# Altium PCB ZYNQ7010_AD9363.PcbDoc (part 5 of 6) (continued)
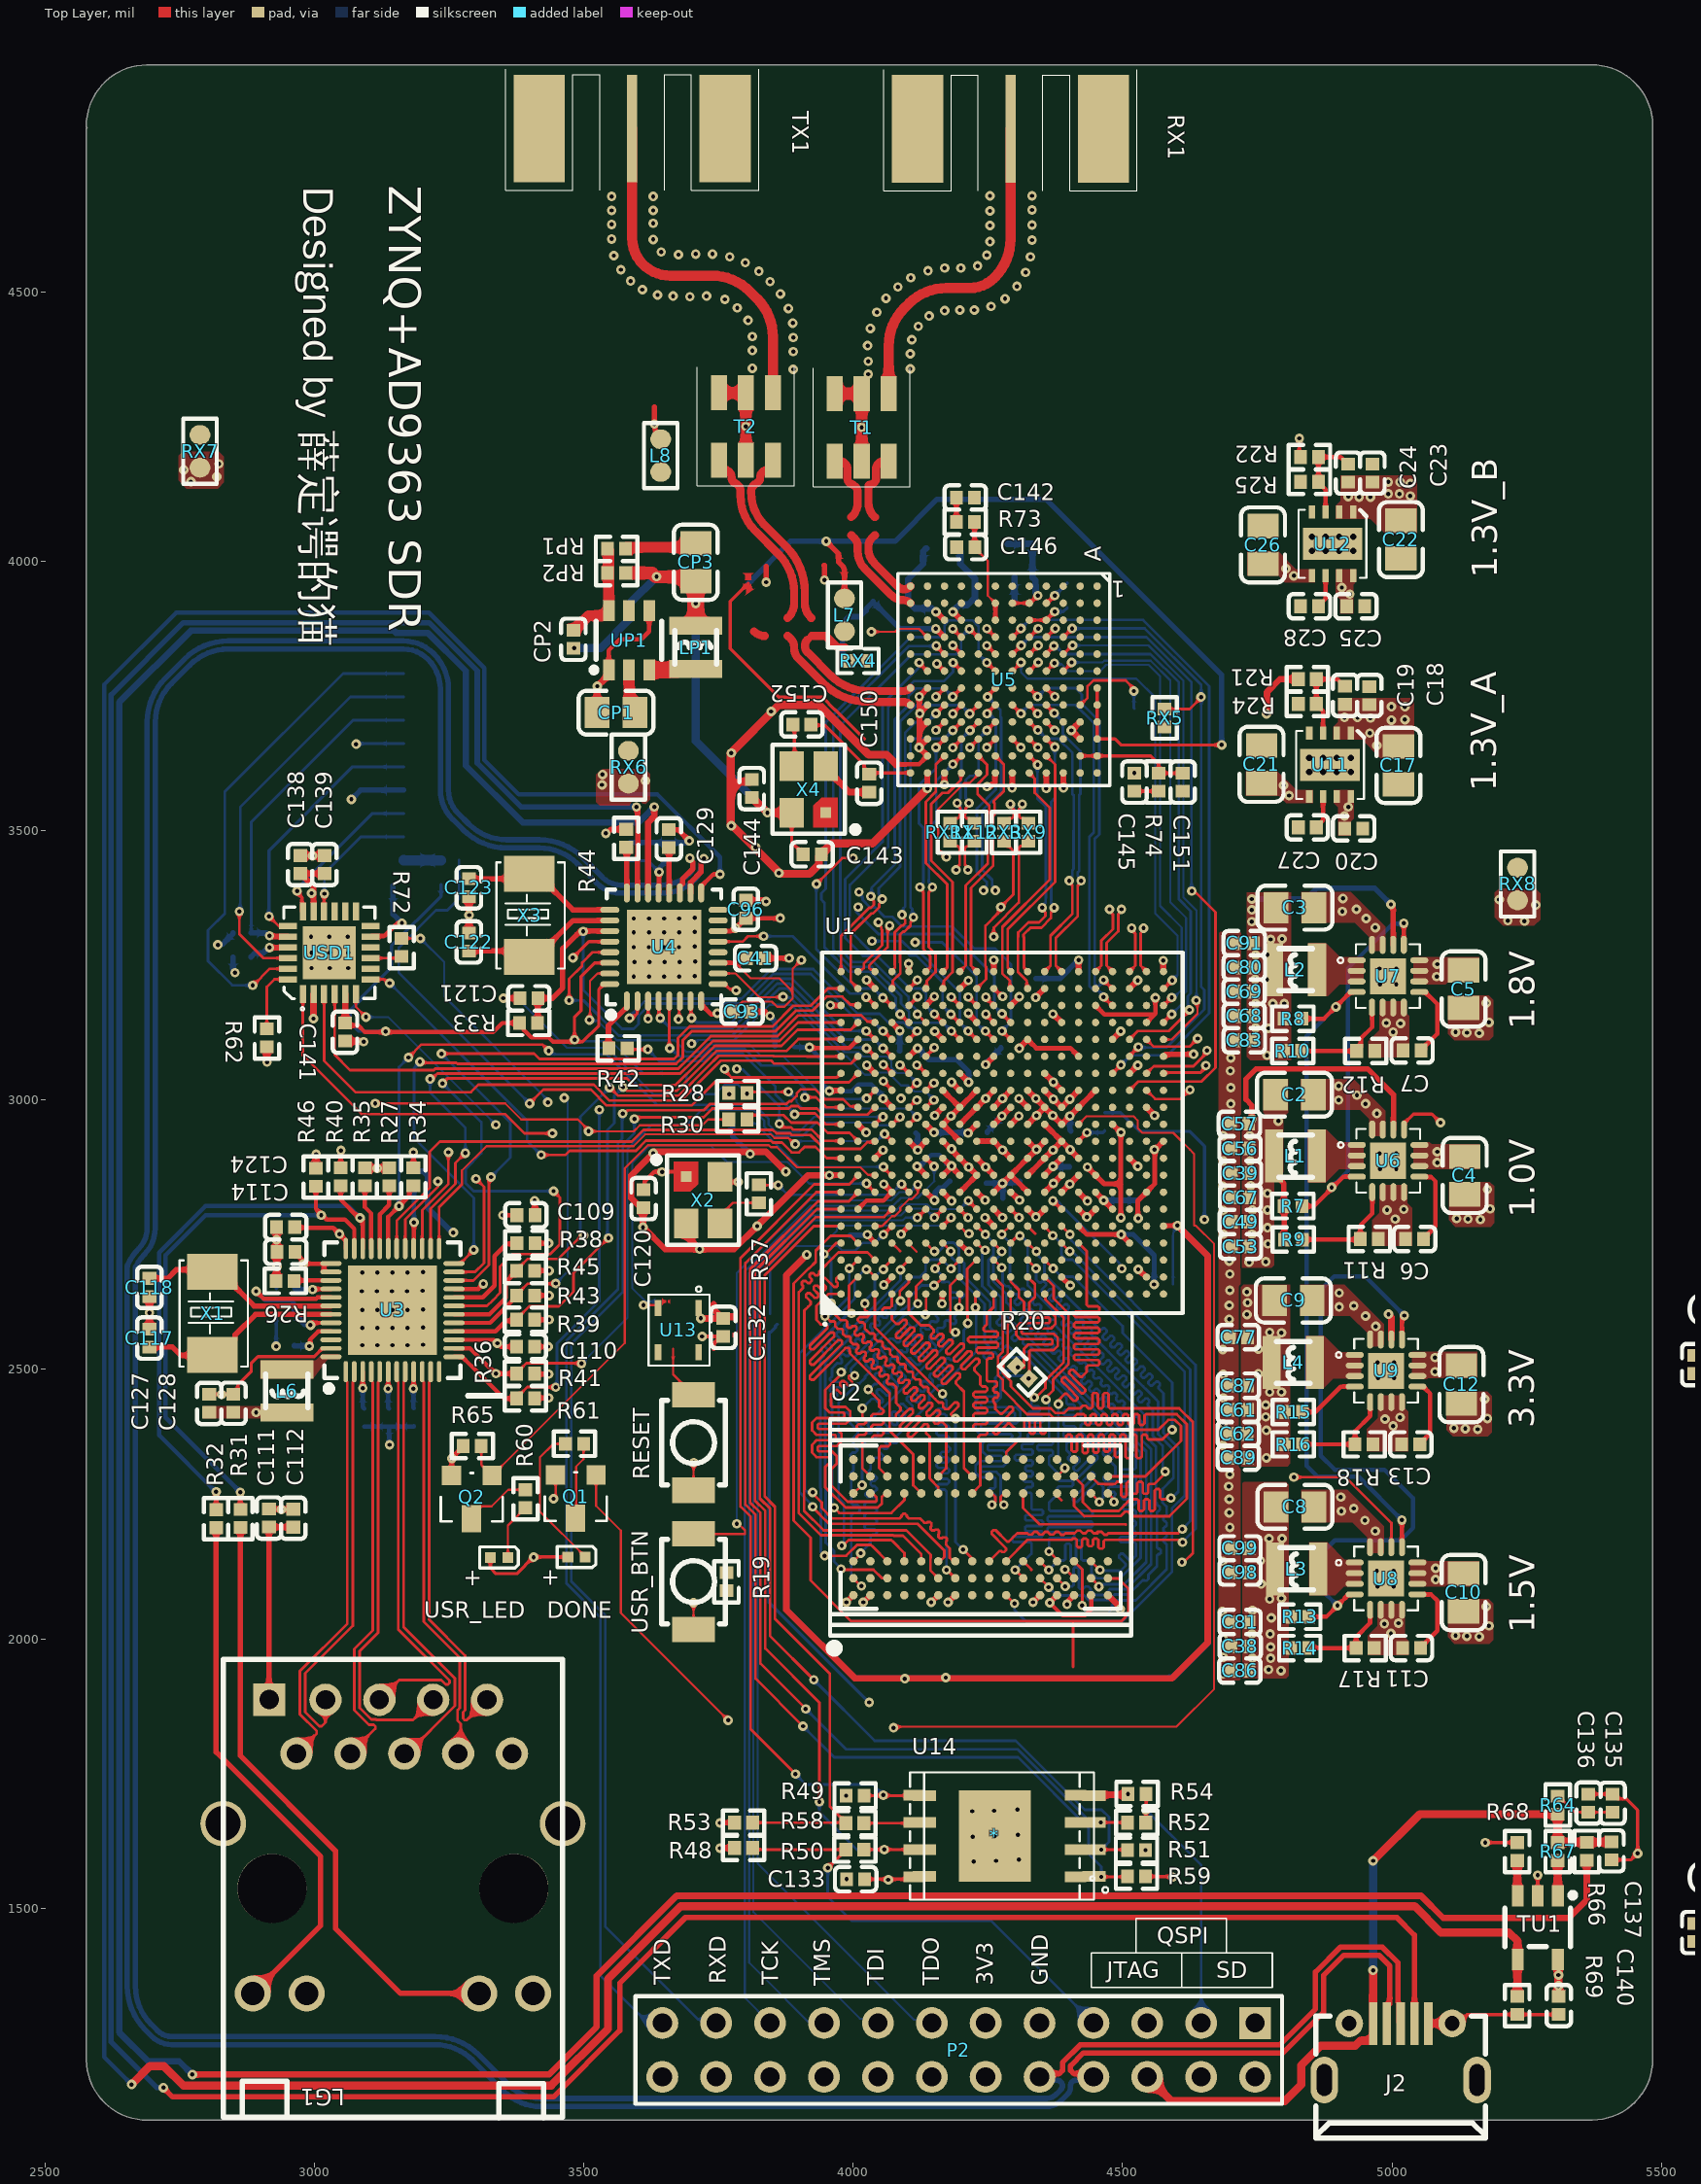
[diagram p0: Top Layer view]
## Nets (pads, with @x,y where several pads share a name; then routed paths per layer and width w, separated by ;. In a path a pad name is that pad's centre, name@x,y a point inside that pad or via, vN(x,y) a via of type N, cw(c..) or ccw(c..) an arc to the next point about the centre after c; other vN are vias at no path point) (continued)
  Top Layer w10: U1.G7@4166.49,2828.97 v1(4182.82,2812.64) ; U1.G13@4166.49,3017.95 U1.H12@4197.99,2986.45 ; U1.H10@4197.99,2923.46 U1.G11@4166.49,2954.96 4181.65,2970.11 U1.H12@4197.99,2986.45 ; U1.J7@4229.49,2828.97 4229.94,2828.97 4244.55,2814.36 v1(4245,2814.36) ; U1.J13@4229.49,3017.95 U1.H12@4197.99,2986.45 ; U1.K12@4260.98,2986.45 v1(4277.31,3002.79) U1.L13@4292.48,3017.95 ; U1.L7@4292.48,2828.97 4293.34,2828.97 4307.95,2814.36 v1(4308.82,2814.36) ; v1(4307.64,3002.78) U1.M12@4323.97,2986.45 ; U1.N7@4355.47,2828.97 v1(4371.81,2845.3) U1.P8@4386.97,2860.47 ; U1.N13@4355.47,3017.95 v1(4371.8,3001.61) U1.P12@4386.97,2986.45 v1(4402.12,3001.61) U1.R13@4418.46,3017.95 ; U1.R7@4418.46,2828.97 v1(4434.8,2812.64) ; v1(4740,2965) 4740,2990 4729,3001 4729,3039 4748,3058 4954.7,3058 5002.7,3010 U6.14@5002.7,2945.3 ; L1.2@4780.92,2896 4780.92,2863.55 4799.54,2844.93 R7.1@4799.54,2803 4799.9,2802.63 4799.9,2741.37 R9.1@4800.27,2741
  other v1: 4735,2699 4766,2700 4770,2733 4740,2751 4769,2763 4741,2796 4769,2796 4769,2827 4738,2841 4737,2887 4736,2934 4789,2961 4181.65,2970.11
VCC_1V5: C8.2 C38.2 C81.1 C86.2 C98.1 C99.1 C100.1 C101.1 C102.1 C103.1 C104.1 C105.1 C106.1 C107.1 C108.1 L3.2 R2.1 R4.2 R13.1 R14.1 U1.A3 U1.D2 U1.E5 U1.G1 U1.H4 U1.L3 U1.P2 U1.R5 U1.U1 U1.V4 U2.A1 U2.A8 U2.B2 U2.C1 U2.C9 U2.D2 U2.D9 U2.E9 U2.F1 U2.G7 U2.H2 U2.H9 U2.K2 U2.K8 U2.N1 U2.N9 U2.R1 U2.R9 U8.14 | length 836.8
  Top Layer w5: v1(4818,2300) 4914,2300 4998.8,2215.2 U8.14@4998.8,2170.1
  Top Layer w8: v1(4365,2067) 4388.5,2043.5 4430.34,2043.5 4441.86,2055.02 4441.86,2080.65 U2.R1@4441.5,2081 ; U1.U1@4481.45,2640 U1.U1@4482.87,2640
  Top Layer w9: U1.R5@4418.46,2765.98 4434.08,2750.36 v1(4497.64,2750.36) U1.V4@4512.95,2735.05
  Top Layer w10: v1(3987.33,2067.77) U2.A1@4000.56,2081 ; v1@4056.84,2656.32 U1.D2@4072.01,2671.49 4057.52,2657 v1(4057,2657) ; v1@4089.62,2752.1 U1.E5@4103.5,2765.98 ; v1(4144.81,2067.77) U2.F1@4158.04,2081 ; v1(4165,2622) 4165,2635.84 4165.77,2636.6 4165.77,2639.28 U1.G1@4166.49,2640 ; U1.H4@4199,2735 4198.94,2734.94 4198.94,2732.97 4212.36,2719.56 v1@4212.36,2719 ; v1(4365,2067) 4365,2067.49 U2.N1@4378.51,2081 ; U1.P2@4386.97,2671.49 4402.46,2656 v1(4403,2656)
  Mid-Layer 1 w5: 4071.91,2721.25 4071.91,2730.83 4089,2747.92 v1(4089,2751)
  Bottom Layer w9: v1(4497.64,2750.36) 4520.06,2750.36 4558.71,2711.7 v1(4558.71,2657.82)
  other v1: 4794,1941 4771,1943 4741,1964 4775,1964 4775,1985 4740,2009 4774,2009 4776,2039 4741,2053 4773,2074 4795,2075 4757,2102 4756,2145 4772,2186 4796,2186 4215,2719
VCC_1V8: C3.2 C41.2 C42.2 C43.2 C44.2 C45.2 C46.2 C68.2 C69.2 C70.2 C71.2 C72.2 C73.2 C74.2 C80.2 C82.2 C83.2 C84.2 C85.2 C90.2 C91.2 C92.2 C93.2 C94.2 C95.2 C96.2 C109.2 C110.2 C141.1 L2.2 R8.1 R10.1 R29.2 R30.1 R33.2 R34.1 R39.2 R41.2 R43.2 R45.2 R71.2 U1.A13 U1.B16 U1.C19 U1.D12 U1.E15 U1.F8 U1.F11 U1.F18 U1.G8 U1.G9 U1.H8 U1.H14 U1.J9 U1.J11 U1.J17 U1.K8 U1.K20 U1.L11 U1.M8 U1.M16 U1.N9 U1.N11 U1.N19 U1.P10 U1.R9 U1.R15 U1.T8 U1.T18 U1.U11 U1.V14 U1.W7 U1.W17 U1.Y10 U1.Y20 U3.15 U3.21 U4.8 U4.11 U4.14 U4.28 U4.30 U4.32 U7.14 USD1.5 | length 5466.5
  Top Layer w4: v1(3113.05,2993.81) 3354.19,2993.81 3384,2964 3489,2964 3509,2944 v1(3509,2942) 3593,2942 3604.2,2953.2 3719.95,2953.2 3730.75,2964 R30.1@3769.27,2964 ; C93.2@3777.27,3164 3777.27,3164.98 3795.08,3182.8 3849.2,3182.8 3859,3173 3872.37,3173 3888,3188.63 3888,3201 ; 3781.53,3254.47 3810,3226 3863,3226 3888,3201 ; v1(3904.05,3259.81) 3888,3243.76 3888,3201
  Top Layer w6: v1(3349.8,2786.2) C109.2@3376,2786.2 ; v1(3480,3264) 3509.84,3293.84 U4.28@3548.61,3293.84 ; U4.32@3548.61,3215.1 3537.76,3215.1 3528,3205.34 3528,3138 3498,3108 3483,3108 v1(3483,3111.86) 3483,3154 3495,3166 3495,3229 3520.47,3254.47 U4.30@3548.61,3254.47
  Top Layer w8: C141.1@3057,3142.73 3057.5,3142.23 3061.53,3138.2 3081.8,3138.2 3094,3126 3332,3126 3349,3143 R33.2@3381,3143 3388.81,3135.19 3388.81,3130.19 3403,3116 3435.19,3116 3443.19,3108 v1@3483,3108 ; R34.1@3184,2874.2 v1@3184,2903 ; U3.15@3259.31,2554.96 3333.23,2554.96 3346,2542.2 C110.2@3375.26,2542.2 ; U3.21@3259.31,2649.45 3304.25,2649.45 v1(3313.62,2658.83) ; R41.2@3408.73,2492.2 3409.73,2491.2 v1(3435,2491.2) ; R39.2@3408.73,2592.2 v1(3436,2592.2) ; R45.2@3408.73,2683.2 v1(3436,2683.2) ; R43.2@3409,2637.2 v1(3436,2637.2) ; U4.8@3717.9,3183.61 3718.48,3183.03 3718.48,3177.52 3737,3159 3772.27,3159 C93.2@3777.27,3164 ; U4.11@3749.39,3254.47 3781.53,3254.47 3800.74,3254.47 C41.2@3802.27,3256 ; U4.14@3749.39,3313.53 3777.26,3313.53 3792.2,3328.47 3792.2,3329.46 3800.02,3337.27 C96.2@3801,3337.27 v1@3864.73,3337.27 ; v1(3919,3098) 3920.7,3096.3 3992.69,3096.3 4008.83,3112.44 U1.B16@4008.92,3112.44 ; U1.T18@4449.96,3175.43 4466.57,3158.82 4559.34,3158.82 ; U1.W17@4544.45,3143.93 4559.34,3158.82 ; v1(4560.88,3189.81) 4560.88,3160.36 4559.34,3158.82
  Top Layer w9: U1.M16@4323.97,3112.44 4340.03,3096.38 4403.02,3096.38 U1.R15@4418.46,3080.94 ; v1(4434.88,2875.55) 4466.07,2844.36 4496.84,2844.36 ; U1.U11@4481.45,2954.96 4496.84,2939.57 4496.84,2844.36 ; v1(4496.84,2781.54) 4496.84,2844.36 ; v1@4528.34,2781.15 4528.34,2812.86 4560.14,2844.66 4560.14,2907.66 U1.Y10@4575.94,2923.46
  Top Layer w10: v1(3956.07,3016.64) 3956.73,3017.3 3976.87,3017.3 U1.A13@3977.52,3017.95 ; U1.B16@4008.92,3112.44 U1.B16@4009.01,3112.44 ; v1(4024.88,3222.64) U1.C19@4040.51,3206.93 ; v1(4055.68,3002.77) U1.D12@4072.01,2986.45 ; U1.E15@4103.5,3080.94 4103.94,3080.94 4119.14,3096.14 v1(4119.59,3096.14) ; v1(4118.67,2876.79) U1.F8@4135,2860.47 ; U1.F18@4133.94,3175.44 U1.F18@4134.5,3175.44 ; U1.F11@4135,2954.96 v1(4150.16,2939.8) ; U1.F18@4135,3175.43 4135,3175.94 4150.63,3191.57 v1(4150.63,3192.09) ; U1.G8@4166.49,2860.47 4167.07,2860.47 4182.24,2875.65 v1@4182.81,2875.65 ; U1.G9@4166.49,2891.97 v1@4182.81,2875.65 ; U1.H8@4197.99,2860.47 v1@4182.82,2875.64 ; U1.H14@4197.99,3049.45 v1(4214.32,3033.13) ; v1(4213.17,2938.63) U1.J11@4229.49,2954.96 ; v1@4213.36,3160.62 U1.J17@4229.49,3144.49 ; U1.J9@4229.49,2891.97 v1(4245.82,2875.65) U1.K8@4260.98,2860.47 ; U1.K20@4260.98,3238.42 v1(4260.98,3259.87) ; U1.L11@4292.48,2954.96 v1(4307.65,2970.12) ; v1@4308.28,3096.75 U1.M16@4323.97,3112.44 ; U1.M8@4323.97,2860.47 U1.P10@4386.97,2923.46 ; v1@4338.78,3190.8 U1.N19@4354.91,3206.93 ; U1.N11@4355.47,2954.96 U1.P10@4386.97,2923.46 ; U1.R9@4418.46,2891.97 v1(4402.71,2907.71) U1.P10@4386.97,2923.46 ; U1.V14@4512.95,3049.45 v1(4528.12,3064.62) ; U1.Y20@4575.46,3237.42 v1(4575.46,3258.87) ; v1(4998,3363) 5002.3,3358.7 U7.14@5002.3,3288
  Top Layer w12: C141.1@3057.5,3142.23 3057.5,3196.4 USD1.5@3057.6,3196.5
  Bottom Layer w4: v1@3483,3109 3551,3109 3610,3050 3625,3050 R29.2@3657.27,3050
  Bottom Layer w6: v1(3132.37,3127.51) 3082.49,3127.51 3067,3143 3067,3167 3088,3188 3088,3191 3143.5,3246.5 3143.5,3286.5 3235.27,3378.27 R71.2@3235.27,3400
  Bottom Layer w8: C84.2@3888.73,3100 3890.73,3098 v1(3919,3098) 3942,3075 3942,3030.72 v1(3956.07,3016.64) 3997.64,3016.64 4010,3029 4034,3029 4055.68,3007.32 v1(4055.68,3002.77) ; v1(4118.67,2876.79) ccw(c4118.67,2889.17) 4127.42,2880.42 4145,2898 4159.81,2898 4180.17,2877.65 v1(4182.82,2877.65)
  Bottom Layer w10: v1(4119.59,3096.14) 4140.73,3075 4192,3075 4214.32,3052.68 v1(4214.32,3033.13) ; v1(4150.16,2939.8) 4212,2939.8 v1(4213.17,2938.63) ; v1(4740,3373) 4840,3373 4860,3393 4968,3393 v1(4998,3363)
  other v1: 3339.61,2548.58 4529.09,2780.4 3183.78,2903.07 4371,2907 4559,2908 4497,2940 4768,3083 4308.28,3095.91 4771,3133 4747,3134 3748,3161 4214,3161 4747,3179 4779,3179 4800,3179 4338.78,3190.29 4746,3224 4768,3224 4747,3269 4769,3270 4775,3298 4796,3299 3782,3319 4740,3331 3864.76,3337.54 4740,3353
VCC_3V3: *.8 C9.2 C20.2 C21.2 C25.2 C26.2 C61.2 C62.2 C75.2 C76.2 C77.2 C78.2 C87.2 C89.2 C113.2 C114.2 C115.2 C116.2 C120.1 C132.1 C133.1 C134.1 C138.1 C139.1 CP1.2 DONE.1 L4.2 LG1.14 P2.1 P2.6 R15.1 R16.1 R19.1 R27.2 R35.1 R38.1 R46.1 R47.1 R48.1 R55.1 R57.1 R59.2 R63.1 R68.2 tf1.4 U1.B6 U1.D7 U1.K6 U1.M6 U1.N6 U1.R6 U1.T6 U3.6 U3.37 U3.38 U3.41 U3.44 U3.45 U4.21 U9.14 U11.5 U11.7 U11.8 U12.5 U12.7 U12.8 U13.4 U14.8 UP1.1 UP1.4 USD1.17 USD1.21 USR_LED.1 X2.1 X2.4 | length 3386.5
  Top Layer w6: USR_LED.1@3326.86,2151 3326.86,2131.14 3337,2121 3376,2121 3407,2152 DONE.1@3470.72,2152 ; X2.4@3753,2857.62 3762.62,2848 v1(3787,2848) ; C133.1@4021.46,1554 4109,1554 *.8@4113.4,1558.4 ; R59.2@4542.73,1559 v1@4593,1559 ; v1(5173.04,1621.96) R68.2@5232.5,1621.96
  Top Layer w8: v1(2892,2645.2) 2905.71,2631.48 3003.62,2631.48 3005.71,2633.58 3030.84,2633.58 U3.41@3030.96,2633.7 ; C114.2@2964,2718.2 2964,2717.22 2985.01,2696.2 3018,2696.2 3018,2681.25 3018.3,2680.95 U3.38@3030.96,2680.95 ; v1(2979.78,2695.71) v1@2982.64,2698.57 ; v1(2990.73,2543.2) 2992.59,2545.06 2992.59,2555.79 3007.38,2570.59 3030.84,2570.59 U3.45@3030.96,2570.71 ; v1@2997.26,2586.46 U3.44@3030.96,2586.46 ; v1(3137,2464.2) 3137.26,2464.47 U3.6@3137.26,2495.91 ; R38.1@3409.46,2734.2 3411.46,2736.2 3413.46,2734.2 v1(3435,2734.2) ; UP1.1@3546.59,3798.08 3546.59,3834.59 3567,3855 3607,3855 3621.4,3869.4 UP1.4@3621.4,3908.32 ; C120.1@3611,2833.73 3613,2835.73 3613,2849 3631,2867 X2.1@3690,2867 ; U4.21@3639.16,3384.39 3640,3385.24 v1(3640,3423) ; v1(3719.87,2561.27) C132.1@3759,2561.27 ; 3741,2538.4 3741,2547.4 C132.1@3757.87,2564.27 ; U1.B6@4009.01,2797.48 4024.87,2813.34 4056.38,2813.34 U1.D7@4072.01,2828.97
  Top Layer w10: v1@2819.52,3286.52 v1(2821,3288) ; v1(2917,3283) v1(2917,3283) 2951.25,3283.05 USD1.21@2951.3,3283.1 ; C138.1@2974,3420.27 C138.1@2974.98,3420.27 ; v1(2993,2582.2) v1@2997.26,2586.46 ; USD1.17@2998.6,3350 2998.6,3396.65 C138.1@2974.98,3420.27 ; C139.1@3019,3420.27 C138.1@2974.98,3420.27 ; v1@3753,1612 R48.1@3780,1612 ; v1(4056.84,2844.14) U1.D7@4072.01,2828.97 ; U1.K6@4260.98,2797.48 v1@4276.8,2781.66 ; U1.M6@4323.97,2797.48 v1@4338.49,2782.96 ; v1@4340.95,2782.96 U1.N6@4355.47,2797.48 ; U1.R6@4418.46,2797.48 v1@4432.98,2782.96 ; v1@4435.44,2782.96 U1.T6@4449.96,2797.48
  Top Layer w12: R46.1@3003,2873.66 v1@3003,2900 ; R35.1@3094,2873.93 R27.2@3139,2873.93 ; CP1.2@3524.96,3719 3524.96,3767.58 3546.59,3789.22 UP1.1@3546.59,3798.08 ; v1@4994,2602 4998.9,2597.1 U9.14@4998.9,2555.6
  Bottom Layer w6: v1@3077.66,3661.66 tf1.4@3165.82,3661.66 ; C76.2@3586,3444.27 3618.73,3444.27 v1(3640,3423) ; 3859.31,2583.92 3855.8,2580.41 3855.8,2578.08 3846.98,2569.27 3844,2569.27 3844,2067.62 4029.62,1882 v1(4030,1882) ; R55.1@4467,2976.46 4496.54,2976.46 4531,2942 4624,2942 4652,2914 v1(4652,2778)
  Bottom Layer w8: v1(2892,2645.2) 2909,2628.2 2957,2628.2 2961.68,2623.51 2961.68,2605.25 C115.2@2963.73,2603.2 ; v1(3137,2464.2) 3137,2429.2 C113.2@3139,2427.2 ; v1(3640,3423) 3640,3430.52 3656.02,3446.54 C78.2@3657,3446.54
  Bottom Layer w10: 2830,3289.48 2849.54,3309.02 R63.1@2849.54,3310 ; C134.1@2882.73,3265 2882.73,3265.98 2889.54,3272.8 2904.71,3272.8 2914.91,3283 v1(2917,3283) ; C116.2@2962.73,2544.2 2963.23,2543.7 2990.23,2543.7 v1(2990.73,2543.2) ; C115.2@2963.73,2603.2 2963.73,2602.22 2982.27,2583.68 2991.52,2583.68 v1(2993,2582.2)
  other v1: 4065.28,1552.81 4593.05,1557.81 3753,1611.5 3407,2151.5 4767,2336 4767,2387 4766,2412 4766,2434 4773,2458 4795,2458 4752,2492 4752,2538 4795,2568 4773,2569 4731,2602 4993.66,2602.44 4732,2624 4731,2644 4277.23,2781.66 4339.14,2782.96 4433.62,2782.96 3645.37,2866.51 3116.86,2873.45 3003.36,2899.52 2995.05,3383.81 4912,3527 4919,3544 4809,3565 4799,3584 3077.71,3660.47 3525.3,3767.92 4922,3939 4907,3951 4818,3973 4803,3986
VCC_IN: C4.2 C5.2 C10.2 C12.2 C140.2 P2.13 P2.14 TU1.5 U6.10 U6.11 U6.12 U6.13 U7.10 U7.11 U7.12 U8.10 U8.11 U8.12 U9.10 U9.11 U9.12 | length 162.3
  Top Layer w6: U6.13@5022.4,2945.3 5022.4,2956.55 5039.85,2974 5074,2974 v1(5090,2958)
  Top Layer w15: TU1.5@5307.9,1405.19 5308.7,1404.39 5308.7,1337.03 C140.2@5309.5,1336.23
  other v1: 5309,1356 5309,1376 5081,2110 5081,2131 5080,2496 5080,2522 5084,2884 5084,2904 5083,3229 5084,3252
VDD_DIG: C14.1 C15.1 C22.2 C23.2 C24.2 C162.1 C172.1 C173.1 C176.1 C177.1 R22.1 RX4.2 U5.B8 U5.D2 U5.D3 U5.E3 U5.F12 U5.K4 U12.1 U12.2 | length 923.3
  Top Layer w5: U5.B8@4421.48,3733.13 4421.48,3735.48 4423.82,3735.48 4434.98,3746.63 4434.98,3767.98 4446,3779 4506,3779 4521,3764 v1(4521,3759)
  Top Layer w6: U5.E3@4326.99,3890.61 U5.D3@4358.49,3890.61 ; U5.D3@4359.97,3890.61 4359.97,3892.1 v1(4374.24,3906.36) ; U5.D2@4359.97,3922.1 v1(4374.24,3936.37) ; v1(4828,4228) 4828,4195.35 R22.1@4830.15,4193.2
  Top Layer w10: v1@4153.86,3874.57 U5.K4@4169.21,3859.23 ; v1(4295.11,3579.25) 4295.3,3579.44 4295.3,3607.61 U5.F12@4295.98,3608.29
  Mid-Layer 1 w6: v1(4828,4228) v1@4829,4227
  Mid-Layer 2 w6: v1(4828,4228) 4976,4228 4994,4210 4994,4148 v1(4993,4147)
  Bottom Layer w5: v1(4521,3759) 4521,3727.73 C173.1@4522,3726.73
  Bottom Layer w6: v1(4374.24,3906.36) 4389.89,3906.36 C172.1@4397.54,3914 ; v1(4374.24,3936.37) 4374.62,3936.37 4397.27,3959.02 C177.1@4397.27,3960
  Bottom Layer w10: v1(3992.47,3814.92) 3992.47,3817.01 3980.46,3829.02 3980.46,3885.52 3991.93,3897 4012.6,3897 4024.08,3908.48 4024.08,3911.36 C176.1@4036.73,3924.02 ; v1(4153.56,3874.57) 4087.16,3874.57 4044.53,3917.2 4043.54,3917.2 C176.1@4036.73,3924.02 ; C176.1@4036.73,3924.02 C176.1@4036.73,3925 C176.1@4036.73,3924.02
  other v1: 4939,4119 4960,4119 4919,4120 5034,4121 4993,4125 5014,4125 5034,4144 5015,4147
VDDA_RX_LO: C17.2 C18.2 C19.2 C165.1 C166.1 C168.1 C169.1 C170.1 C171.1 C174.1 C175.1 R21.1 U5.B9 U5.B10 U5.E2 U5.F2 U5.J3 U5.K3 U11.1 U11.2 | length 706.6
  Top Layer w6: U5.F2@4295.5,3922.1 U5.E2@4326.99,3922.1 ; U5.E2@4328.48,3922.1 v1(4342.75,3936.37)
  Top Layer w10: v1@4154,3905.96 U5.K3@4169.35,3890.61 ; v1@4185.5,3905.96 U5.J3@4200.85,3890.61
  Top Layer w12: v1(4404.89,3686) v1@4405.25,3686 ; U5.B10@4421.48,3670.13 4421.12,3670.13 v1@4405.25,3686 ; U5.B9@4421.48,3701.63 4421,3701.63 4405.37,3686 v1@4405.25,3686 ; v1@4768,3717 4768,3757 4792,3781 R21.1@4826.27,3781
  Bottom Layer w12: C174.1@4135.73,4024 4129.92,4018.19 4129.92,3994.92 4102,3967 4102,3925 4114.73,3912.27 C170.1@4146,3912.27 ; C171.1@4191,3913.27 4196.81,3919.08 4213.08,3919.08 4226,3932 4226,3968 4199.08,3994.92 4199.08,4018.19 C175.1@4193.27,4024 ; C166.1@4286,4032 4286.13,4032.13 4332.6,4032.13 4332.73,4032.27 C168.1@4332.73,3970 4338.54,3964.19 4338.54,3942.12 4342.75,3937.92 v1(4342.75,3936.37)
  other v1: 4972,3658 4959,3681 4999,3705 5024,3706 4960,3709 4912,3710 4936,3710 4767.37,3716.48 4999,3730 5024,3730 4153.69,3905.96 4185.19,3905.96
VUSB_V_EN: R69.1 TU1.4 U4.17 | length 7117.4
  Top Layer w8: U4.17@3717.9,3384.39 3717.9,3396.6 3740.3,3419 v1(3753,3419)
  Top Layer w15: v1(2661,1173) 2695,1207 2721,1207 2757,1171 3440,1171 3545,1276 3545,1368.7 3680.3,1504 5042,1504 5091,1455 5217,1455 5233.1,1438.9 TU1.4@5233.1,1405.19 5232.8,1404.88 5232.8,1336.53 R69.1@5232.5,1336.23
  Bottom Layer w8: v1(2661,1173) 2610,1224 2610,3770.8 2744,3904.8 3183.19,3904.8 3212.59,3904.8 3315.5,3801.88 3315.5,3630.88 3379.38,3567 3637,3567 3753,3451 v1(3753,3419)
pads on no net: LG1. tf1.0 tf1.11 tf1.12 U1.B5 U1.B9 U1.B13 U1.C6 U1.D9 U1.E6 U1.E8 U1.E9 U1.F16 U1.G14 U1.G15 U1.G18 U1.H15 U1.J14 U1.J15 U1.K9 U1.K14 U1.L10 U1.L14 U1.L15 U1.M14 U1.M15 U1.M17 U1.M18 U1.N15 U1.N16 U1.N17 U1.N18 U1.P1 U1.P3 U1.P14 U1.P15 U1.P16 U1.P18 U1.P19 U1.R1 U1.R2 U1.R3 U1.R14 U1.R16 U1.R17 U1.R18 U1.R19 U1.T1 U1.T2 U1.T4 U1.T5 U1.T9 U1.T10 U1.T11 U1.T12 U1.T14 U1.T15 U1.T16 U1.T17 U1.T19 U1.U2 U1.U3 U1.U4 U1.U5 U1.U7 U1.U8 U1.U9 U1.U10 U1.U12 U1.U13 U1.U15 U1.U17 U1.V1 U1.V2 U1.V3 U1.V5 U1.V6 U1.V7 U1.V8 U1.V10 U1.V11 U1.V12 U1.V17 U1.V18 U1.W1 U1.W3 U1.W4 U1.W5 U1.W6 U1.W8 U1.W9 U1.W10 U1.W11 U1.W15 U1.W18 U1.W19 U1.Y1 U1.Y2 U1.Y3 U1.Y4 U1.Y6 U1.Y7 U1.Y8 U1.Y9 U1.Y11 U1.Y12 U1.Y13 U2.J1 U2.J9 U2.L1 U2.L9 U2.M7 U3.12 U3.46 U4.12 U4.15 U4.16 U5.A3 U5.B3 U5.B4 U5.B5 U5.B6 U5.B7 U5.C3 U5.L5 U5.M3 U5.M11 UP1.5 USD1.8 USD1.10 USD1.12 USD1.13 USD1.14 USD1.15 X4.1
copper on no net: | length 727.4
  Top Layer w10: v1(3838.73,3961) 3838.73,3990 ; 3946.27,3992 3947,3992 v1(3947,3965)
  Top Layer w19: 3590,4803 3590,4599.28 ccw(c3658.28,4599.28) 3610,4551 ccw(c3660.7,4601.7) 3660.7,4530 3737.58,4530 cw(c3737.58,4430) 3808.29,4500.71 3821.71,4487.29 cw(c3751,4416.58) 3851,4416.58 3851,4312.51

## Polygon pours and split planes (outlines as drawn)
VCC_3V3 on Mid-Layer 1 "VCC_3V3_L02_P003" (solid, pour order 3): 4467,2796 4152,2796 4152,2836 4128,2860 4020,2860 4007,2847 4007,2725 4013.39,2718.61 4421.61,2718.61 4473,2770 4473,2788
VCC_1V8 on Mid-Layer 1 "VCC_1V8_L02_P019" (solid, pour order 19): 4161.23,2458 3048,2458 2997,2509 2997,3341 3045,3389 4788,3389 4804,3373 4804,2844 4194.94,2844 4194.94,2972.94 4217,2995 4411,2995 4411,3006 4161.23,3006
VCC_3V3 on Mid-Layer 1 "VCC_3V3_L02_P023" (solid, pour order 23): 4415,2806 4714,2806 4737,2783 4737,2691 4814,2691 4826,2679 4826,2327 4819.06,2320.06 4415,2318.9
VCC_1V5 on Mid-Layer 1 "VCC_1V5_L02_P025" (solid, pour order 25): 4487,2341 4495,2349 4826,2349 4826,1902 4818,1894 4494,1894
VCC_3V3 on Mid-Layer 1 "VCC_3V3_L02_P103" (solid, pour order 103): 2742,4912 2695.42,4912 ccw(c2695.42,4812) 2624.71,4882.71 2619,4877 ccw(c2681.77,4814.23) 2593,4814.23 2593,1212 ccw(c2667.84,1212) 2614.92,1159.08 2630,1144 ccw(c2695.18,1209.18) 2695.18,1117 5373.58,1117 ccw(c5373.58,1217) 5444.29,1146.29 5451,1153 ccw(c5385.82,1218.18) 5478,1218.18 5478,4807.17 ccw(c5471.17,4807.17) 5476,4812 5476,4818.47 ccw(c5397.47,4818.47) 5453,4874 5440.87,4886.13 ccw(c5376,4821.26) 5376,4913
VCC_1V5 on Mid-Layer 1 "VCC_1V5_L02_P000" (solid, remove dead copper, pour order 0): 4494,1894 4214,1894 4185,1923 4004,1923 3952.35,1974.65 3952.35,2703.35 3979,2730 4436.57,2730 4507.83,2667.57 4507.83,1907.83
VCC_3V3 on Mid-Layer 1 "c" (solid, pour order 78): 4566,2547 5135,2547 5167,2579 5167,4196 5129,4234 4580,4234 4566,4220 4566,3762
VCC_3V3 on Mid-Layer 1 "VCC_3V3_L02_P079" (solid, pour order 79): 4852,2562 4817,2527 4817,2620 4852,2620
VCC_1V0 on Mid-Layer 1 "VCC_1V0_L02_P018" (solid, pour order 18): 4408,2796 4718,2796 4722,2792 4722,2691 4724,2689 4777,2689 4781,2693 4781,2931 4798,2948 4798,2973 4730,2973 4722,2965 4722,2861 4717,2856 4406,2856
VCC_1V0 on Mid-Layer 1 "VCC_1V0_L02_P002" (solid, pour order 2): 4467,2796 4152,2796 4146,2802 4146,3014 4152,3020 4419,3020 4421,3018 4421,2986 4418.38,2983.38 4205.38,2983.38 4201,2979 4201,2897 4201,2856 4463,2856 4467,2852
VCC_3V3 on Top Layer "VCC_3V3_L01_P024" (solid, pour order 24): 4720,2653 4724,2657 4811,2657 4811,2325 4806,2320 4720,2320
GND on Top Layer "GND_L01_P095" (solid, pour order 95): 4720,3309.83 4720,2923 4719,2922 4719,1925 4717,1923 4680,1923 4678,1925 4678,3309 4681,3312 4718.14,3312
GND on Top Layer "GND_L01_P094" (solid, pour order 94): 5104,2074 5104,2003 5116,1991 5181,1991 5188,1998 5188,2066 5180,2074
GND on Top Layer "GND_L01_P091" (solid, pour order 91): 5101,2459 5101,2388 5113,2376 5178,2376 5185,2383 5185,2451 5177,2459
GND on Top Layer "GND_L01_P090" (solid, pour order 90): 5106,2848 5106,2777 5118,2765 5183,2765 5190,2772 5190,2840 5182,2848
GND on Top Layer "GND_L01_P089" (solid, pour order 89): 5104,3194 5104,3123 5116,3111 5181,3111 5188,3118 5188,3186 5180,3194
GND on Top Layer "GND_L01_P087" (solid, pour order 87): 5199,3392 5266,3392 5275,3383 5275,3335 5264,3324 5206,3324 5191,3339 5191,3385
GND on Top Layer "GND_L01_P086" (solid, pour order 86): 3534.43,3614.5 3614.5,3614.5 3623.5,3605.5 3623.5,3557.5 3612.5,3546.5 3529.5,3546.5 3523,3553 3523,3604.5
GND on Top Layer "GND_L01_P085" (solid, pour order 85): 2756,4203 2823,4203 2832,4194 2832,4146 2821,4135 2763,4135 2748,4150 2748,4196
GND on Top Layer "GND_L01_P076" (solid, pour order 76): 4977,3183 5027,3183 5027,3161 5032,3156 5032,3079 4956,3079 4956,3109 4977,3130
GND on Top Layer "GND_L01_P075" (solid, pour order 75): 4963,2729 4963,2777 4977,2791 4977,2842 5028,2842 5028,2809 5037,2800 5037,2729
GND on Top Layer "GND_L01_P074" (solid, pour order 74): 5024,2065 5024,2003 5031,1996 5031,1970 4955,1970 4955,2006 4973,2024 4973,2065
GND on Top Layer "GND_L01_P073" (solid, pour order 73): 4974,2452 5024,2452 5024,2428 5030,2422 5030,2348 4953,2348 4953,2389 4974,2410
VCC_3V3 on Top Layer "VCC_3V3_L01_P065" (solid, pour order 65): 4729,3565 4790,3565 4804,3551 4853,3551 4853,3575 4823,3575 4787,3611 4729,3611
VCC_3V3 on Top Layer "VCC_3V3_L01_P064" (solid, pour order 64): 4732,4018 4789,4018 4822,3985 4857,3985 4857,3961 4801,3961 4789,3973 4732,3973
ADVDD10 on Top Layer "ADVDD10_L01_P059" (solid, pour order 59): 2793,2432 2975,2432 2975,2409 2794,2409 2793,2410
REG_OUT on Top Layer "REG_OUT_L01_P058" (solid, pour order 58): 3045,2528 3006,2528 2995,2517 2900,2517 2900,2483 2998,2483 3025,2519 3045,2519
VCC_3V3 on Top Layer "VCC_3V3_L01_P040" (solid, pour order 40): 4928,3903 4928,3956 4934,3962 4934,3985 4896,3985 4896,3937 4904,3929 4904,3903
VCC_3V3 on Top Layer "VCC_3V3_L01_P039" (solid, pour order 39): 4892,3575 4929,3575 4929,3522 4924,3517 4924,3491 4900,3491 4900,3543 4892,3551
VDDA_RX_LO on Top Layer "VDDA_RX_LO_L01_P038" (solid, pour order 38): 4891,3669 4944,3669 4979,3634 5041,3634 5041,3739 5034,3746 4900,3746 4900,3702 4891,3693
VDD_DIG on Top Layer "VDD_DIG_L01_P036" (solid, pour order 36): 4905,4159 4905,4112 4896,4103 4896,4079 4960,4079 4987,4052 5046,4052 5046,4149 5036,4159
VCC_IN on Top Layer "VCC_IN_L01_P035" (solid, pour order 35): 5034,2097 5162,2097 5162,2144 5066,2144 5063,2147 5034,2147
VCC_IN on Top Layer "VCC_IN_L01_P034" (solid, pour order 34): 5037,2482 5037,2533 5158,2533 5158,2484 5067,2484 5065,2482
NetL4_1 on Top Layer "NETL4_1_L01_P033" (solid, pour order 33): 4840,2464 4840,2562 4875,2562 4905,2532 4943,2532 4943,2483 4891,2483 4872,2464
NetL3_1 on Top Layer "NETL3_1_L01_P032" (solid, pour order 32): 4846,2179 4880,2179 4912,2147 4943,2147 4943,2097 4911,2097 4895,2081 4846,2081
GND on Top Layer "GND_L01_P031" (solid, pour order 31): 4832,2216 4926,2216 4954,2188 4954,2159 4985,2159 4985,2209 4917,2277 4832,2277
GND on Top Layer "GND_L01_P030" (solid, pour order 30): 4988,2933 4988,2980 4929,3039 4831,3039 4831,2982 4941,2982 4958,2965 4958,2933
GND on Top Layer "GND_L01_P028" (solid, pour order 28): 4830,2600 4922,2600 4955,2567 4955,2543 4985,2543 4985,2584 4912,2657 4830,2657
GND on Top Layer "GND_L01_P027" (solid, pour order 27): 4832,3329 4931,3329 4958,3302 4958,3277 4988,3277 4988,3322 4924,3386 4832,3386
VCC_1V5 on Top Layer "VCC_1V5_L01_P026" (solid, pour order 26): 4723,2289 4725,2291 4806,2291 4808,2289 4808,1929 4806,1927 4723,1927
VCC_1V8 on Top Layer "VCC_1V8_L01_P022" (solid, pour order 22): 4813,3385.5 4813,3074 4737,3074 4731,3080 4731,3385.5
VCC_1V0 on Top Layer "VCC_1V0_L01_P015" (solid, pour order 15): 4779,2969 4781,2967 4781,2847 4781,2691 4779,2689 4722,2689 4722,2969
VCC_IN on Top Layer "VCC_IN_L01_P010" (solid, pour order 10): 5040,3215 5100,3215 5103,3218 5162,3218 5162,3265 5040,3265
NetL2_1 on Top Layer "NETL2_1_L01_P009" (solid, pour order 9): 4844,3193 4881,3193 4903,3215 4947,3215 4947,3265 4904,3265 4878,3291 4844,3291
VCC_IN on Top Layer "VCC_IN_L01_P008" (solid, pour order 8): 5040,2922 5070,2922 5074,2918 5163,2918 5163,2872 5040,2872
VCC_1V8 on Top Layer "VCC_1V8_L01_P007" (solid, pour order 7): 4762,3386 4808,3386 4808,3328 4798,3318 4798,3193 4764,3193 4764,3322 4762,3324
NetL1_1 on Top Layer "NETL1_1_L01_P006" (solid, pour order 6): 4844,2945 4879,2945 4902,2922 4947,2922 4947,2872 4902,2872 4877,2847 4844,2847
VCC_1V0 on Top Layer "VCC_1V0_L01_P005" (solid, pour order 5): 4761,3039 4807,3039 4807,2977 4798,2968 4798,2847 4764,2847 4764,2973.85 4761,2976.85
GND on Mid-Layer 2 "GND_L03_P071" (solid, pour order 71): 2590,4299 2590,4031.41 ccw(c2593.41,4031.41) 2591,4029 ccw(c2603.07,4016.93) 2586,4016.93 2586,1218 ccw(c2682.57,1218) 2614.28,1149.72 2624.71,1139.29 ccw(c2695.42,1210) 2695.42,1110 5376.58,1110 ccw(c5376.58,1210) 5447.29,1139.29 5456.72,1148.72 ccw(c5388.43,1217) 5485,1217 5485,4512.17 ccw(c5478.17,4512.17) 5483,4517
RFGND on Mid-Layer 2 "RFGND_L03_P070" (solid, remove dead copper, pour order 70): 3307,4189 3307,3865.42 ccw(c3407,3865.42) 3336.29,3794.71 3481.71,3649.29 ccw(c3552.42,3720) 3552.42,3620 3604,3620 cw(c3604,3530.67) 3667.16,3593.84 3744,3517 ccw(c3816.43,3517) 3765.21,3465.79 3810,3421 ccw(c3851.04,3462.04) 3851.04,3404 5304.58,3404 ccw(c5304.58,3504) 5375.29,3433.29 5478,3536 ccw(c5461.1,3552.9) 5485,3552.9 5485,4809.99 ccw(c5385.99,4809.99) 5456,4880 5444.29,4891.71 ccw(c5373.58,4821) 5373.58,4921 2694.42,4921 ccw(c2694.42,4821) 2623.71,4891.71 2607,4875 ccw(c2657.7,4824.3) 2586,4824.3 2586,4296.01 ccw(c2685.01,4296.01) 2615,4226 ccw(c2658.46,4269.46) 2658.46,4208 3266.37,4208 cw(c3209.43,4126.96) 3307,4144
VDDA_RX_LO on Mid-Layer 2 "VDDA_RX_LO_L03_P050" (solid, pour order 50): 4088,3951 4101,3964 4538,3964 4538,3491 4099,3491 4088,3502
VDDA_RX_LO on Mid-Layer 2 "VDDA_RX_LO_L03_P052" (solid, pour order 52): 4492,3492 5046,3492 5047,3493 5047,3510 5047,3737 5038,3746 4569,3746 4546,3723 4546,3569 4536,3559 4496,3559
VDD_DIG on Mid-Layer 2 "VDD_DIG_L03_P053" (solid, pour order 53): 4540.4,3961.01 4575.99,3961.01 4887,3961 4906,3980 4906,4155 4912,4161 5037,4161 5044,4154 5044,3726 5038,3720 4534.1,3720
VDD_DIG on Mid-Layer 2 "VDD_DIG_L03_P047" (solid, pour order 47): 4356,3894 4359,3897 4422,3897 4422,3828 4419,3825 4130,3825 4130,3889 4135,3894
VDD_DIG on Mid-Layer 2 "VDD_DIG_L03_P043" (solid, pour order 43): 4359,3957 4363,3961 4546,3961 4551,3956 4551,3574 4540,3563 4231,3563 4223,3571 4223,3591 4223,3629.13 4230.87,3637 4487,3637 4500,3650 4500,3887 4494,3893 4363,3893 4359,3897
GND on Bottom Layer "GND_L04_P100" (solid, pour order 100): 3566,3353 3582,3369 3719,3369 3734,3354 3734,3214 3718,3198 3580,3198 3566,3212
GND on Bottom Layer "GND_L04_P099" (solid, pour order 99): 2985,3334 2968,3317 2968,3230 2985,3213 3072,3213 3088,3229 3088,3317 3071,3334
GND on Bottom Layer "GND_L04_P097" (solid, pour order 97): 3048,2685 3070,2707 3220,2707 3242,2685 3242,2535 3220,2513 3070,2513 3049.05,2533.95 3047.52,2533.95
VCC_IN on Bottom Layer "VCC_IN_L04_P080" (solid, pour order 80): 5068,2110 5068,1258 5047,1237 4608,1237 4598,1227 4598,1133 4609,1122 5309,1122 5326,1139 5326,2124.18
VCC_IN on Bottom Layer "VCC_IN_L04_P072" (solid, pour order 72): 5105,3268 5235,3268 5326,3177 5326,2097 5068,2097 5068,3268

## Other copper
Top Layer:
  pour cut-out: 3588.78,4529.78 ccw(c3660.7,4601.7) 3660.7,4499.98 3737.58,4499.98 cw(c3737.58,4430) 3787.07,4479.49 3800.49,4466.07 cw(c3821.71,4487.29) 3800.47,4466.09 3800.49,4466.07 cw(c3751,4416.58) 3820.99,4416.58 3820.99,4312.51 ccw(c3851,4312.51) 3881.01,4312.51 3881.01,4416.58 ccw(c3751,4416.58) 3842.93,4508.51 3829.51,4521.93 cw(c3808.29,4500.71) 3829.53,4521.91 3829.51,4521.93 ccw(c3737.58,4430) 3737.58,4560.02 3660.7,4560.02 cw(c3660.7,4601.7) 3631.22,4572.22 cw(c3658.28,4599.28) 3620.01,4599.28 3620.01,4803 ccw(c3590,4803) 3559.99,4803 3559.99,4599.28 ccw(c3658.28,4599.28)
  pour cut-out: 4037.28,4308.93 ccw(c4067.29,4308.93) 4097.31,4308.93 4097.31,4397.51 cw(c4167.29,4397.51) 4117.8,4446.99 ccw(c4096.58,4468.22) 4117.82,4447.01 4117.8,4446.99 4125.22,4454.41 cw(c4174.71,4404.93) 4174.71,4474.91 4217.42,4474.91 ccw(c4217.42,4569.8) 4284.51,4502.7 4285.22,4503.41 ccw(c4193.29,4595.35) 4323.31,4595.35 4323.31,4800.43 ccw(c4293.29,4800.43) 4263.28,4800.43 4263.28,4595.35 cw(c4193.29,4595.35) 4242.78,4545.86 ccw(c4264,4524.64) 4242.76,4545.84 4242.78,4545.86 4242.07,4545.15 cw(c4263.29,4523.93) 4242.09,4545.17 4242.07,4545.15 cw(c4217.42,4569.8) 4217.42,4534.94 4174.71,4534.94 ccw(c4174.71,4404.93) 4082.78,4496.86 ccw(c4104,4475.64) 4082.76,4496.84 4082.78,4496.86 4075.36,4489.44 cw(c4096.58,4468.22) 4075.38,4489.46 4075.36,4489.44 ccw(c4167.29,4397.51) 4037.28,4397.51
Mid-Layer 1:
  pour cut-out: 3346,2838 3268,2838 3209,2897 3209,2937 3280,3008 3438,3008 3516,3086 3974,3086 4009,3121 4125.02,3121 4142.76,3103.26 4140.77,3050.29 4014.9,2927 3456.48,2927